# Altium PCB Quad FC 10.7-final.PcbDoc
Units mm, origin at the board's own origin, x right, y up, seen from the top; angles counter-clockwise.
Board outline 55.25 x 55.25 mm, 2 copper layers (Top Layer, Bottom Layer); 78 components, 52 nets, 294 pads, 275 vias.
Unrouted connection lines stored in the file: 1.
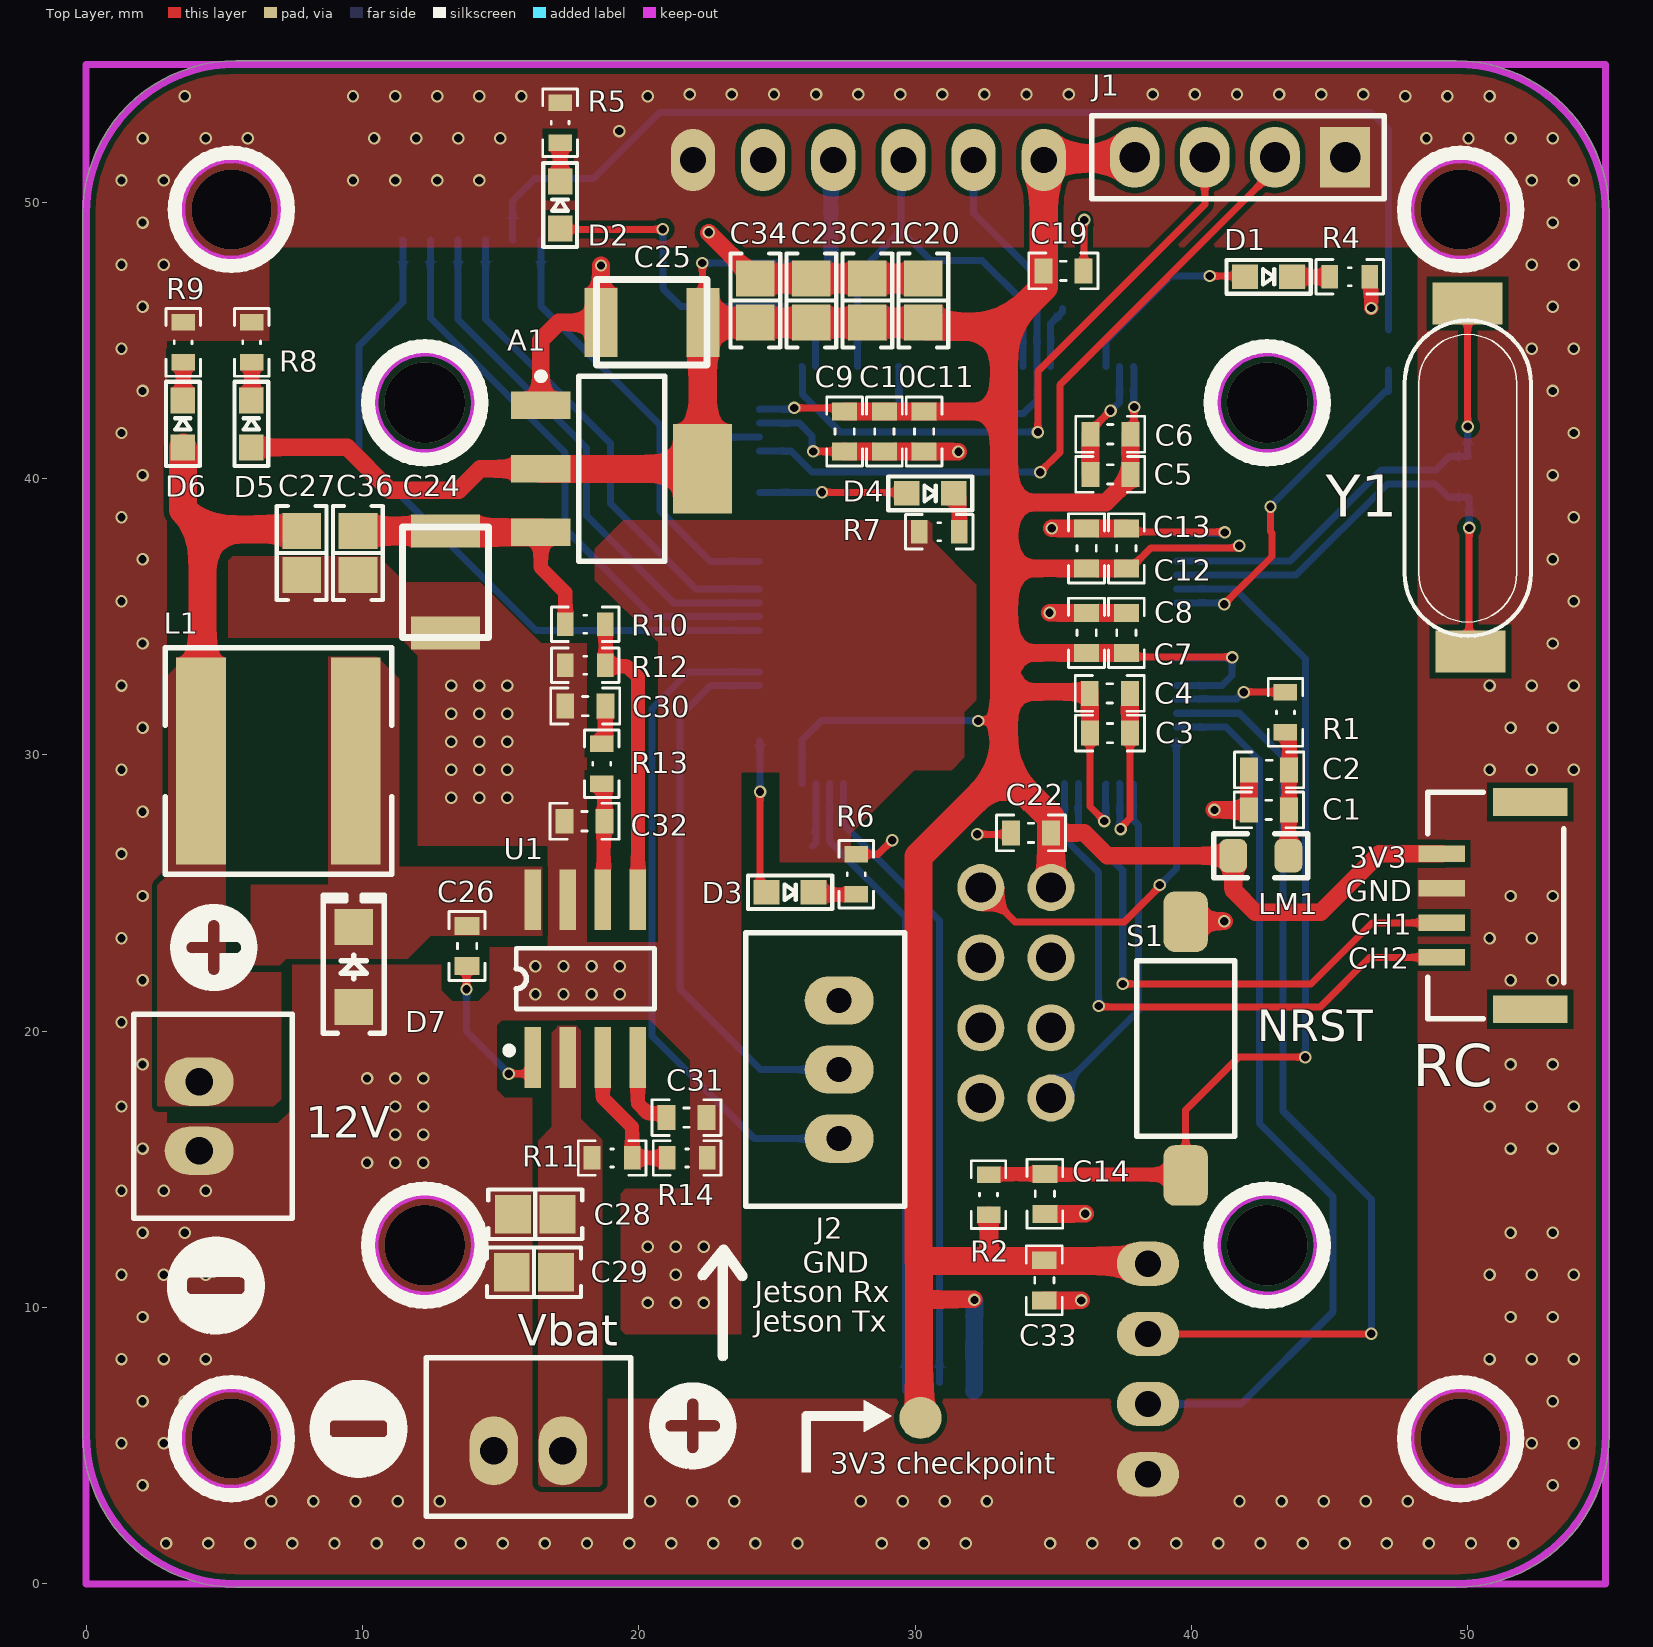
[diagram p0: Top Layer view]
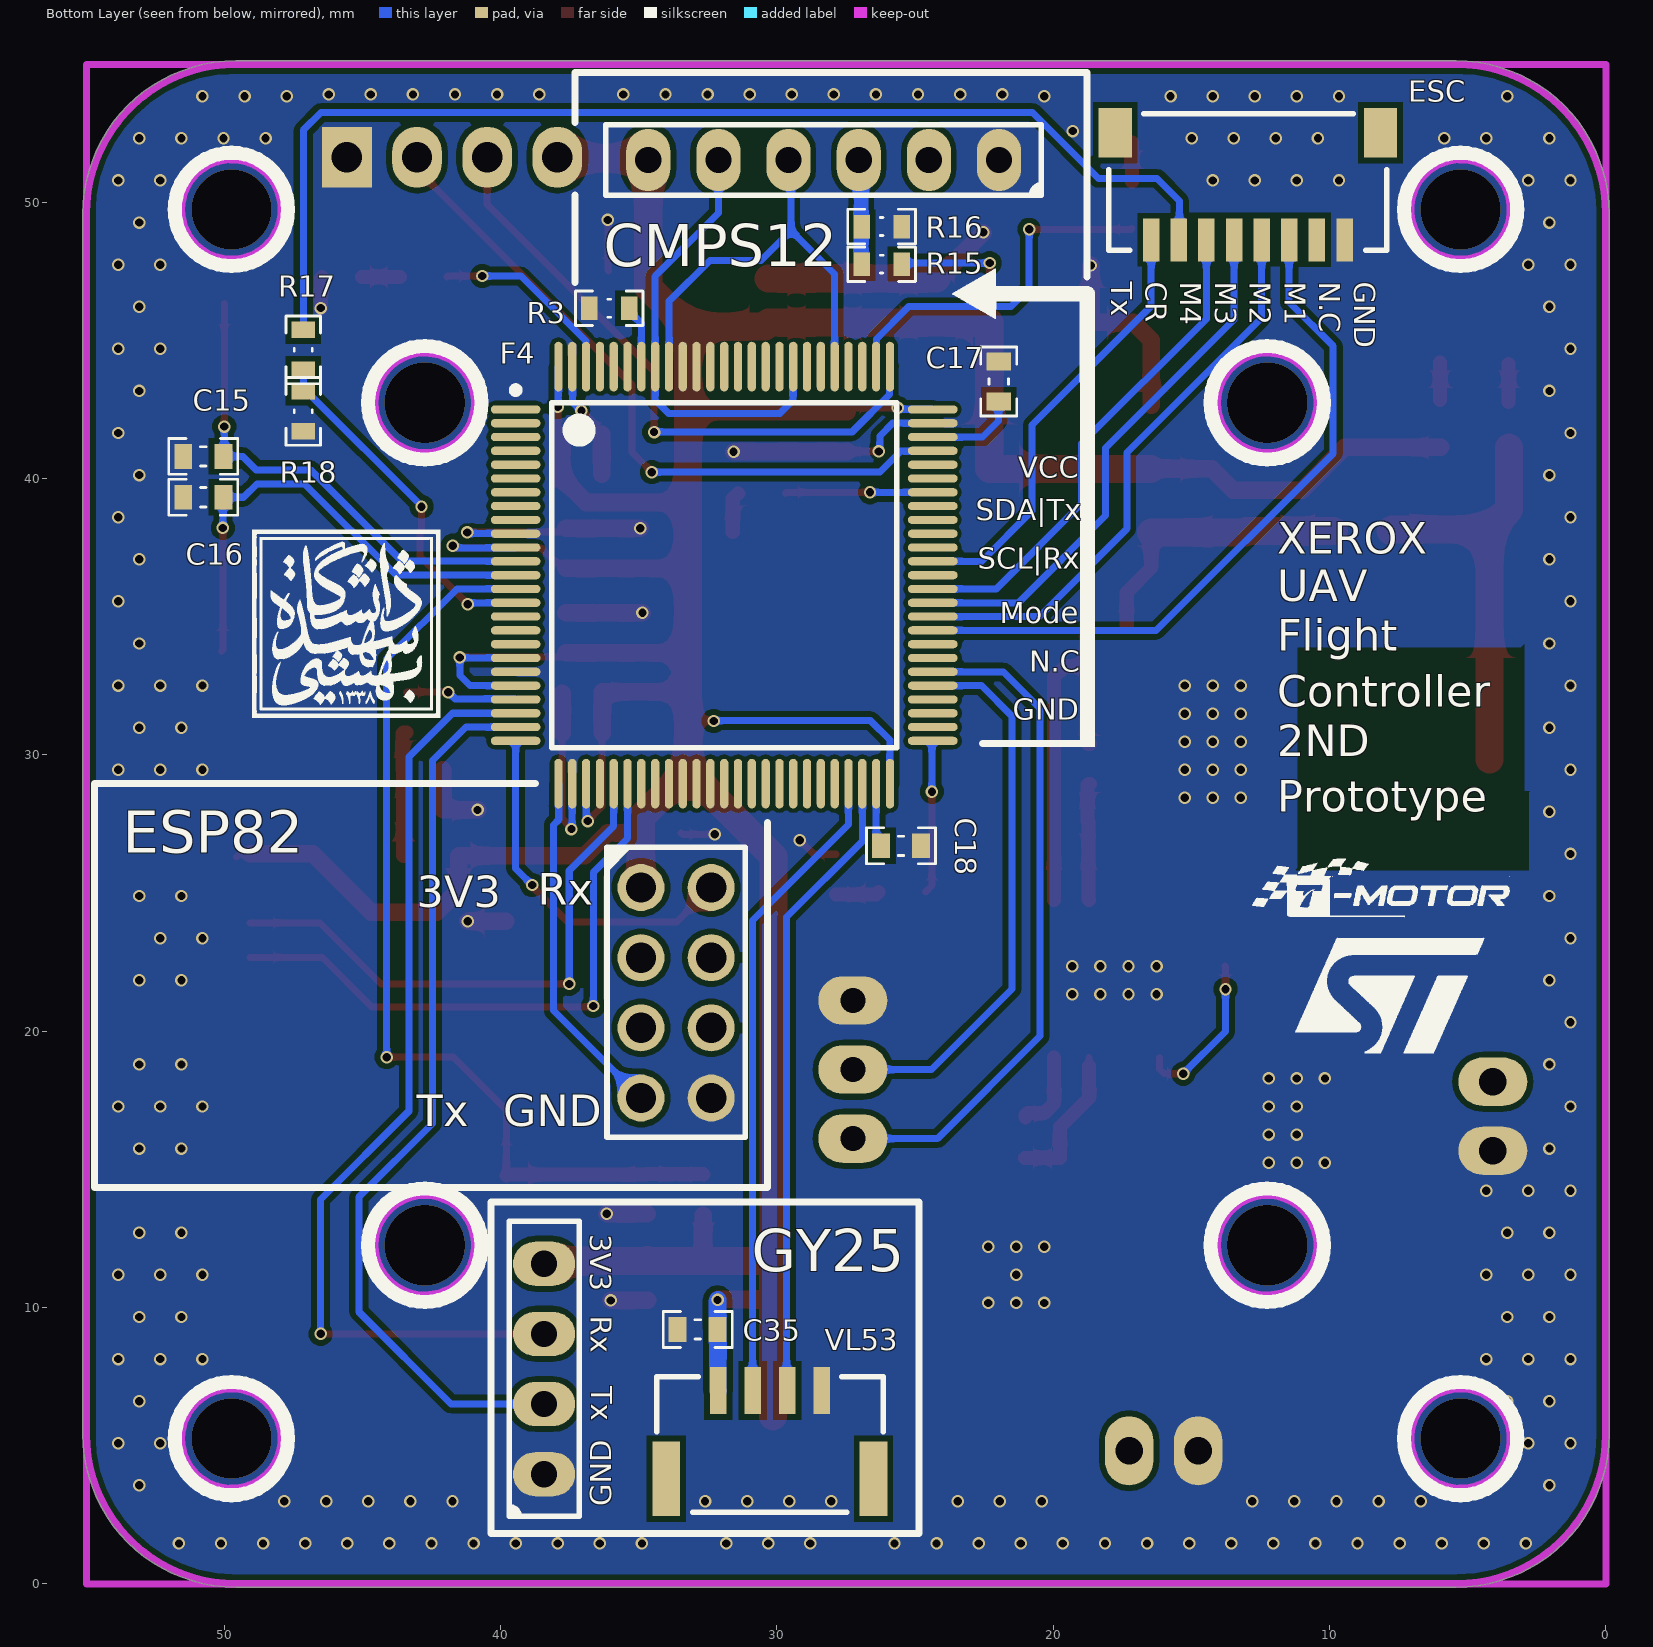
[diagram p1: Bottom Layer view, seen from below]
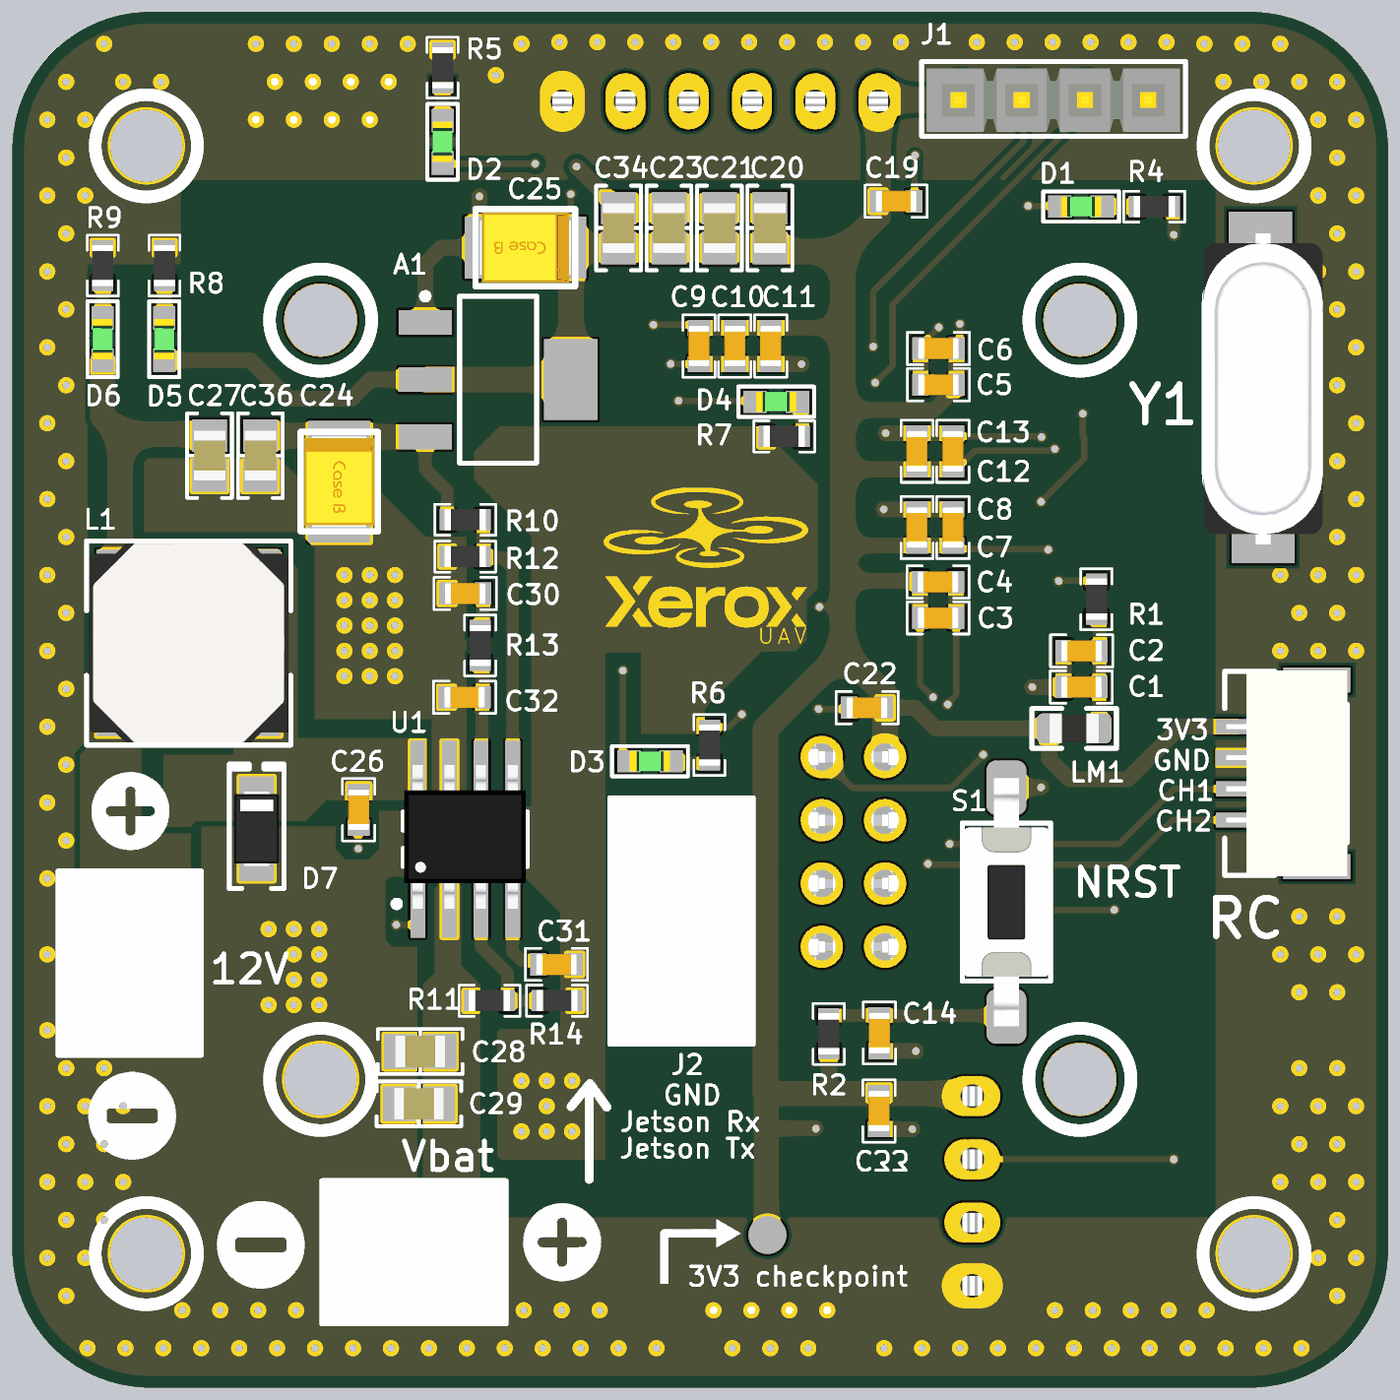
[diagram p2: 3D render of the assembled board from above, using the file's embedded part models]
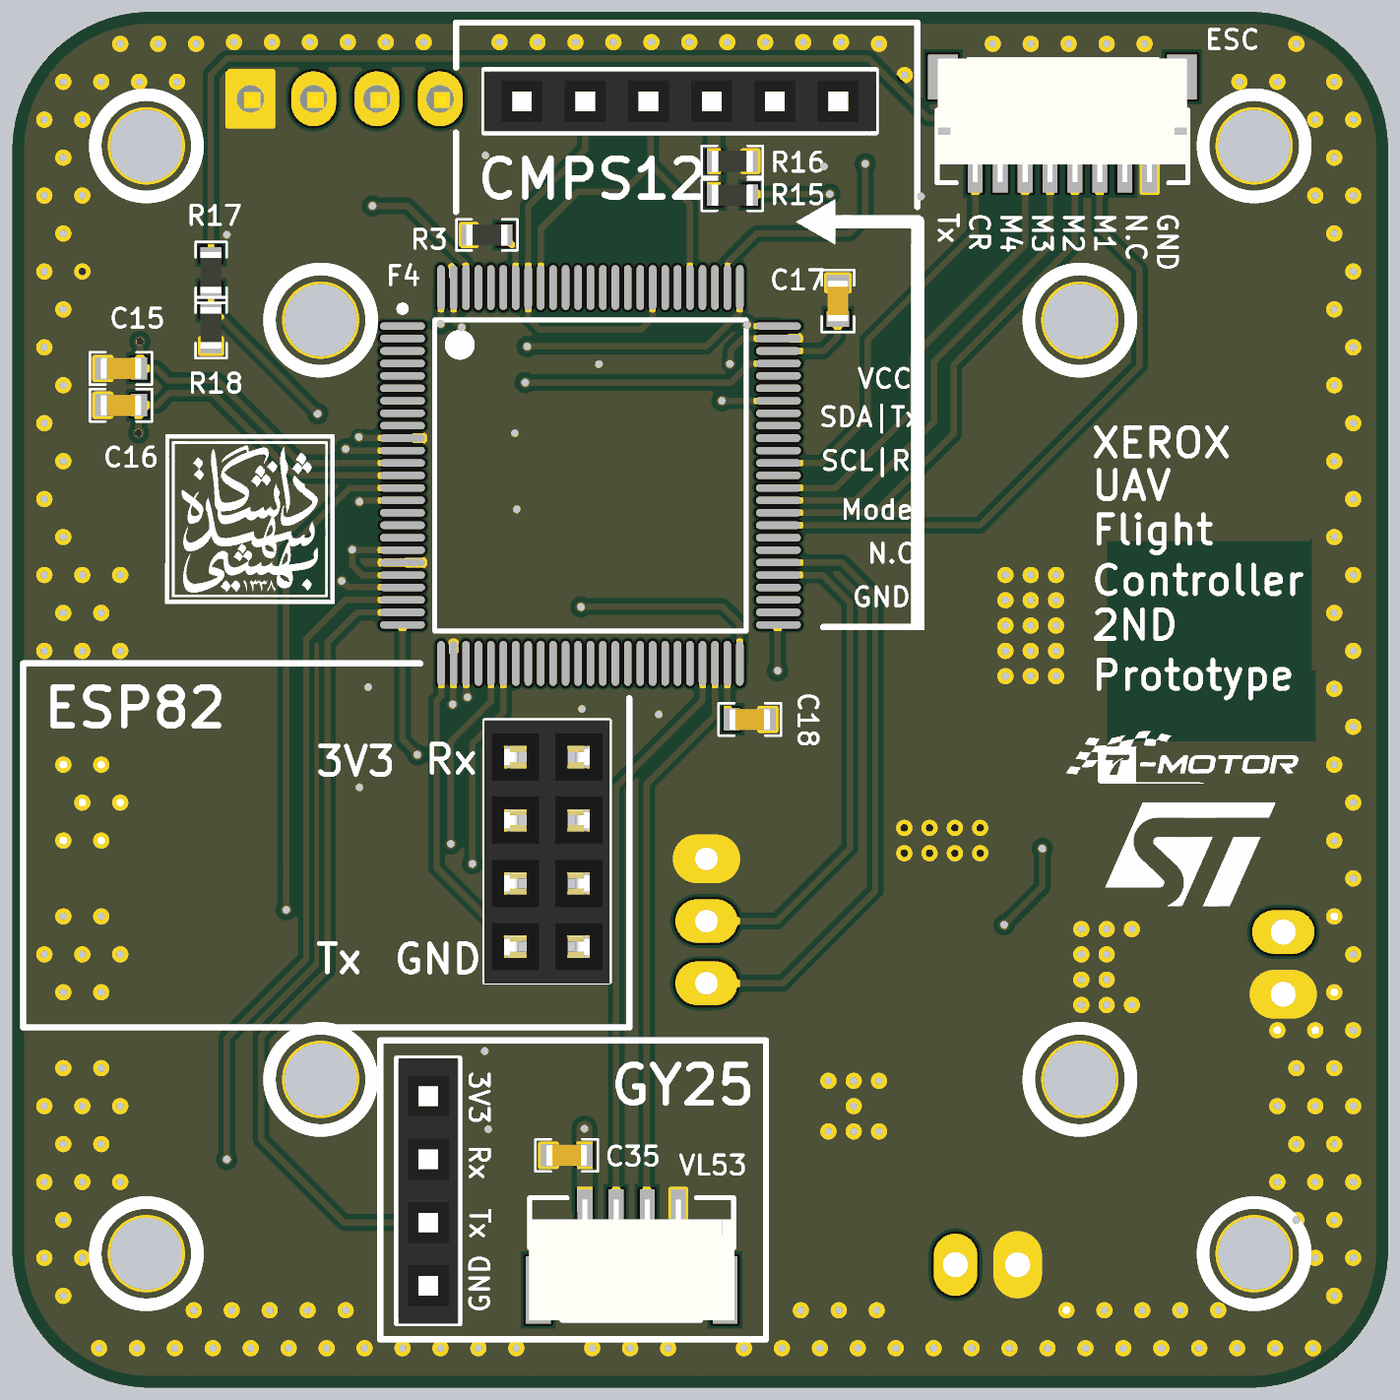
[diagram p3: 3D render of the assembled board from below, using the file's embedded part models]

## Layer stack, top to bottom
Top Solder: solder mask 0.0102, Solder Resist, Dk 3.5
Top Layer: signal copper 0.0356
Dielectric 1: dielectric 0.32, FR-4, Dk 4.8
Bottom Layer: signal copper 0.0356
Bottom Solder: solder mask 0.0102, Solder Resist, Dk 3.5

## Board outline
5.4,-0.127 cw(c5.4,5.4) -0.127,5.4 -0.127,49.6 -0.127,49.601 cw(c5.4,49.6) 5.4,55.127 49.6,55.127 cw(c49.6,49.6) 55.127,49.6 55.127,42.75 55.127,5.4 cw(c49.6,5.4) 49.6,-0.127

## Design rules (kind name [scope] priority, off if disabled: settings)
Clearance MCU [InComponent('F4')] p1: gap=0.152 ignorepadtopadclearanceinfootprint=FALSE except(0: Arc-Hole Track-Hole SMDPad-Hole THPad-Hole Via-Hole Fill-Hole Poly-Hole Region-Hole Text-Hole)
Clearance [All] p2: gap=0.203 ignorepadtopadclearanceinfootprint=FALSE except(0: Arc-Hole Track-Hole SMDPad-Hole THPad-Hole Via-Hole Fill-Hole Poly-Hole Region-Hole Text-Hole)
DiffPairsRouting [All] p1: maxlimit=0.254 minlimit=0.254 mostfreqgap=0.254 toplayer_minwidth=0.203 toplayer_maxwidth=0.381 toplayer_prefwidth=0.254 bottomlayer_minwidth=0.203 bottomlayer_maxwidth=0.381 bottomlayer_prefwidth=0.254 maxuncoupledlength=12.7
HoleSize [All] p1: absolutevalues=TRUE maxlimit=3 minlimit=0.025 maxpercent=80.000 minpercent=20.000
HoleToHoleClearance [All] p1: gap=0.203 allowstackedmicrovias=TRUE
PolygonConnect PolygonConnect_9 [All vs IsNamedPolygon('GND_L01_P008')] p1: connectstyle=Direct reliefconductorwidth=0.254 reliefentries=4 polygonreliefangle="90 Angle" airgapwidth=0.254
PolygonConnect PolygonConnect_8 [All vs IsNamedPolygon('GND_L01_P009')] p2: connectstyle=Direct reliefconductorwidth=0.254 reliefentries=4 polygonreliefangle="90 Angle" airgapwidth=0.254
PolygonConnect PolygonConnect_7 [All vs IsNamedPolygon('GND_L01_P010')] p3: connectstyle=Direct reliefconductorwidth=0.254 reliefentries=4 polygonreliefangle="90 Angle" airgapwidth=0.254
PolygonConnect PolygonConnect_6 [All vs IsNamedPolygon('GND_L02_P007')] p4: connectstyle=Direct reliefconductorwidth=0.254 reliefentries=4 polygonreliefangle="90 Angle" airgapwidth=0.254
PolygonConnect PolygonConnect_5 [All vs IsNamedPolygon('VBAT+_L01_P000')] p5: connectstyle=Direct reliefconductorwidth=0.254 reliefentries=4 polygonreliefangle="90 Angle" airgapwidth=0.254
PolygonConnect PolygonConnect_4 [All vs IsNamedPolygon('12V_L01_P004')] p6: connectstyle=Direct reliefconductorwidth=0.254 reliefentries=4 polygonreliefangle="90 Angle" airgapwidth=0.254
PolygonConnect PolygonConnect_3 [All vs IsNamedPolygon('GND_L01_P003')] p7: connectstyle=Direct reliefconductorwidth=0.254 reliefentries=4 polygonreliefangle="90 Angle" airgapwidth=0.254
PolygonConnect PolygonConnect_2 [All vs IsNamedPolygon('NETC26_1_L01_P002')] p8: connectstyle=Direct reliefconductorwidth=0.254 reliefentries=4 polygonreliefangle="90 Angle" airgapwidth=0.254
PolygonConnect PolygonConnect_1 [All vs IsNamedPolygon('12V_L01_P004')] p9: connectstyle=Direct reliefconductorwidth=0.254 reliefentries=4 polygonreliefangle="90 Angle" airgapwidth=0.254
PolygonConnect [All] p10: connectstyle=Relief reliefconductorwidth=0.254 reliefentries=4 polygonreliefangle="90 Angle" airgapwidth=0.254
RoutingVias [All] p1: holewidth=0.3 width=0.45 viastyle="Through Hole" minholewidth=0.2 minwidth=0.3 maxholewidth=3 maxwidth=3
SilkToSilkClearance [All] p1: silktosilkclearance=0.203
SilkToSolderMaskClearance [IsPad] p1: minsilkscreentomaskgap=8 clearancetoexposedcopper=TRUE
SolderMaskExpansion [All] p1: expansion=0.102 istentingtop=FALSE useseparateexpansions=TRUE expansionbottom=0.102 istentingbottom=FALSE
Width GND [InNet('GND')] p1: maxlimit=1.016 minlimit=0.254 preferedwidth=0.635
Width Vbat+ [InNet('VBAT+')] p2: maxlimit=1.016 minlimit=0.508 preferedwidth=0.762
Width 12V [InNet('12V')] p3: maxlimit=1.016 minlimit=0.508 preferedwidth=0.762
Width 3.3V [InNet('3V3')] p4: maxlimit=1.016 minlimit=0.254 preferedwidth=0.635
Width [All] p5: maxlimit=0.508 minlimit=0.254 preferedwidth=0.381
25 further rules are at their usual default settings.

## Classes and differential pairs
component class "Quad FC V10.6": 3 C1 C2 C3 C4 C5 C6 C7 C8 C9 C10 C11 C12 C13 C14 C15 C16 C17 C18 C19 C22 C33 C35 CMPS12 D1 D2 D3 D4 ESP82 F4 GY25 J1 J2 LM1 R1 R2 R3 R4 R5 R6 R7 R15 R16 RC S1 VL53 Y1
component class "Quad FC power V10.6": 12V A1 C20 C21 C23 C24 C25 C26 C27 C28 C29 C30 C31 C32 C34 C36 D5 D6 D7 ESC L1 R8 R9 R10 R11 R12 R13 R14 R17 R18 U1 Vbat
differential pair F407_OSC: +F407_OSC_P -F407_OSC_N

## Components (designator, comment, footprint, x,y, rotation, side; value= is the part's Value field where it differs from the comment)
12V "Jetson Power" "JST XH B2B-XH-A" 4.08,16.92 r90 top
A1 "3.3V linear regulator" SOT230P700X180-4N 19.38,40.36 r0 top
C1 "100nF" CAP0603 42.81,28.01 r0 top
C2 "1uF" CAP0603 42.82,29.46 r0 top
C3 "100nF" CAP0603 37.055,30.79 r180 top
C4 "100nF" CAP0603 37.05,32.23 r180 top
C5 "100nF" CAP0603 37.07,40.16 r0 top
C6 "100nF" CAP0603 37.07,41.61 r0 top
C7 "100nF" CAP0603 37.65,34.42 r90 top
C8 "1uF" CAP0603 36.21,34.42 r90 top
C9 "100nF" CAP0603 27.45,41.71 r90 top
C10 "4.7uF" CAP0603 28.89,41.71 r90 top
C11 "100nF" CAP0603 30.33,41.71 r90 top
C12 "100nF" CAP0603 37.65,37.48 r270 top
C13 "100nF" CAP0603 36.21,37.48 r270 top
C14 "100nF" CAP0603 34.7,14.11 r270 top
C15 "10pF" CAP0603 50.77,40.81 r180 bottom
C16 "10pF" CAP0603 50.77,39.33 r0 bottom
C17 "2.2uF" CAP0603 21.97,43.52 r90 bottom
C18 "2.2uF" CAP0603 25.51,26.71 r180 bottom
C19 "100nF" CAP0603 35.37,47.525 r0 top
C20 "1µF" "CAP 0805_2012" 30.3,46.45 r270 top
C21 "0.1 µF" "CAP 0805_2012" 28.273,46.45 r270 top
C22 "100nF" CAP0603 34.2,27.18 r180 top
C23 "0.1 µF" "CAP 0805_2012" 26.247,46.45 r270 top
C24 "10uF" MY_CAP_SMD-B 13,36.26 r270 top value=3300u
C25 "100uF" MY_CAP_SMD-B 20.475,45.66 r180 top value=3300u
C26 "100nF" CAP0603 13.78,23.08 r270 top
C27 "22uF" "CAP 0805_2012" 7.79,37.31 r90 top value="22 µF"
C28 "10 µF" "CAP 0805_2012" 16.25,13.37 r0 top
C29 "10 µF" "CAP 0805_2012" 16.2,11.27 r0 top
C30 "1nF" CAP0603 18.06,31.77 r180 top
C31 "8.2nF" CAP0603 21.725,16.87 r0 top
C32 "10pF" CAP0603 18.035,27.6 r180 top
C33 "100nF" CAP0603 34.68,10.98 r270 top
C34 "0.1 µF" "CAP 0805_2012" 24.22,46.45 r270 top
C35 "100nF" CAP0603 32.87,9.2 r0 bottom
C36 "22uF" "CAP 0805_2012" 9.83,37.31 r90 top value="22 µF"
CMPS12 "CMPS12" "SAMTEC SSW-106-03-T-S" 28.31,51.54 r0 bottom
D1 "LED" "0603 - LED" 42.8,47.31 r0 top
D2 "LED" "0603 - LED" 17.15,49.91 r90 top
D3 "LED" "0603 - LED" 25.48,25.03 r0 top
D4 "LED" "0603 - LED" 30.55,39.47 r0 top
D5 "LED" "0603 - LED" 5.97,41.985 r90 top
D6 "LED" "0603 - LED" 3.49,41.985 r90 top
D7 "SS34L RVG" "SMF DO-219AB" 9.68,22.32 r90 top
ESC "ESC" "JST SM08B-SRSS-TB" 12.95,50.68 r180 bottom
ESP82 "ESP82" "HARWIN M20-7830445" 33.653,21.39 r180 bottom
F4 "STM32F407VGT6" STM-LQFP100_N 31.91,36.51 r180 bottom
GY25 "GY25" "SAMTEC SSW-104-03-T-S" 38.43,7.77 r90 bottom
J1 "Programming Pin" "HEADER 4X1" 45.57,51.64 r180 top
J2 "Jetson Uart connector" "JST XH B3B-XH-A" 27.25,18.61 r270 top
L1 "22 µH" "TAIYO YUDEN NRS8030" 6.95,29.78 r180 top value="10 µH"
LM1 "10uH" 0805L 42.52,26.35 r180 top value=FB805
R1 "0" RES0603 43.41,31.54 r90 top
R2 "1K" RES0603 32.66,14.08 r90 top
R3 "1K" RES0603 36.07,46.17 r0 bottom
R4 "1K" RES0603 45.74,47.31 r0 top
R5 "1K" RES0603 17.15,52.89 r90 top
R6 "1K" RES0603 27.87,25.68 r90 top
R7 "1K" RES0603 30.875,38.08 r180 top
R8 "1K" RES0603 5.981,44.94 r90 top
R9 "1K" RES0603 3.501,44.94 r90 top
R10 "10.2k" RES0603 18.06,34.73 r180 top
R11 "0.732k" RES0603 19.03,15.41 r180 top
R12 "0.732k" RES0603 18.06,33.25 r0 top
R13 "30.9K" RES0603 18.66,29.68 r270 top
R14 "0.732k" RES0603 21.75,15.41 r180 top
R15 "0" RES0603 26.21,47.77 r180 bottom
R16 "0" RES0603 26.21,49.13 r0 bottom
R17 "1K" RES0603 47.15,44.665 r90 bottom
R18 "2K" RES0603 47.15,42.44 r90 bottom
RC "Radio Controller" "JST SM04B-GHS-TB" 50.945,24.545 r270 top
S1 "FSMSMTR" "TE FSMSMTR" 39.8,19.37 r180 top
U1 "TPS54331" SO8 18.06,21.9 r0 top
Vbat "FC power" "JST XH B2B-XH-A" 16,4.805 r180 top
VL53 "VL53L0" "JST SM04B-GHS-TB" 30.255,5.115 r0 bottom
Y1 "8MHz" "My_Crystal - SMD" 50.01,40.02 r90 top

## Footprints (in the part's own frame and the unit in brackets; to place one, negate y for a bottom-side part, rotate by r counter-clockwise, add the part's x,y. Pads: shape width x height; smd on the part's side, far side on the other; paste and mask are expansions set on the pad)
"0603 - LED" [mil]
  rect 37x35 smd: 1(-33.5,0) 2(33.5,0)
  silkscreen extent -60,-24 60,24, body extent -32,-16 32,16, height 43
0805L [mm] ",0805, 2012, 200X130"
  rrect50% 1x1.2 smd mask+0.075: 1(-1,0) 2(1,0)
  Top Layer pour cut-out: -0.5,0.8 0.5,0.8 0.5,-0.8 -0.5,-0.8
  silkscreen extent -1.7,-0.8 1.7,0.8, body extent -1,-0.6 1,0.6, height 0.95
CAP0603 [mm] "Chip Capacitor, 2-Leads, Body 1/60x0/80mm, IPC Medium Density DESIGNER:ABBAS BASEREH"
  rect 0.65x0.9 smd: 1(-0.725,0) 2(0.725,0)
  silkscreen extent -1.25,-0.65 1.25,0.65, body extent -0.82,-0.43 0.82,0.43, height 0.4
"CAP 0805_2012" [mm] "Chip Capacitor, 2-Leads, Body 2.00x1.20mm, IPC Medium Density"
  rect 1.3x1.4 smd: 1(-0.8,0) 2(0.8,0)
  silkscreen extent -1.7,-0.9 1.7,0.9, body extent -1,-0.64 1,0.64, height 1.26
"HARWIN M20-7830445" [mm] "2.54mm DIL PC TAIL PIN HEADER ASSEMBLY"
  round 1.7 hole 1.1: 1(-1.27,3.81) 2(-1.27,1.27) 3(-1.27,-1.27) 4(-1.27,-3.81) 5(1.27,-3.81) 6(1.27,-1.27) 7(1.27,1.27) 8(1.27,3.81)
  silkscreen extent -2.5,-5.23 2.5,5.27, body extent -2.52,-5.28 2.52,5.28, height 8.5
"HEADER 4X1" [mm]
  rect 1.8x2.2 hole 1.1: 1(0,0)
  oval 1.8x2.2 hole 1.1: 2(2.54,0) 3(5.08,0) 4(7.62,0)
  silkscreen extent -1.43,-1.5 9.18,1.5, body extent -1.19,-1.22 8.97,1.32, height 8.38
"JST SM04B-GHS-TB" [mm] "1.25mm pitch/Disconnectable Crimp style connectors"
  rect 0.6x1.7 smd: 1(-1.875,-1.875) 2(-0.625,-1.875) 3(0.625,-1.875) 4(1.875,-1.875)
  rect 1x2.7 smd: M(-3.75,1.325) M(3.75,1.325)
  silkscreen extent -4.1,-2.37 4.1,2.54, body extent -4.12,-2.31 4.13,2.54, height 4.35
"JST SM08B-SRSS-TB" [mm] "1.0mm pitch/Disconnectable Crimp style connector"
  rect 0.6x1.55 smd: 1(-3.5,-2.032) 2(-2.5,-2.032) 3(-1.5,-2.032) 4(-0.5,-2.032) 5(0.5,-2.032) 6(1.5,-2.032) 7(2.5,-2.032) 8(3.5,-2.032)
  rect 1.2x1.8 smd: M(-4.8,1.843) M(4.8,1.843)
  silkscreen extent -5.03,-2.41 5.03,2.54, body extent -5,-2.38 5,2.57, height 2.95
"JST XH B2B-XH-A" [mm]
  oval 1.75x2.5 hole 1: 1(-1.25,0) 2(1.25,0)
  silkscreen extent -3.7,-3.38 3.7,2.38, body extent -3.7,-3.38 3.7,2.38, height 7
"JST XH B3B-XH-A" [mm]
  oval 1.75x2.5 hole 0.9: 1(-2.5,0) 2(0,0) 3(2.5,0)
  silkscreen extent -4.95,-3.38 4.95,2.38, body extent -4.95,-3.38 4.95,2.38, height 7
MY_CAP_SMD-B [mm] "3.1X4"
  rect 1.2x2.5 smd: +(-1.845,0) -(1.845,0)
  silkscreen extent -2,-1.55 2,1.55, body extent -1.85,-1.41 1.85,1.41, height 2.14
"My_Crystal - SMD" [mm]
  rect 1.524x2.54 smd: 1(-6.275,-0.1) 2(6.33,0.01)
  silkscreen extent -5.71,-2.29 5.71,2.29, body extent -6.28,-2.5 6.22,2.3, height 3.92
RES0603 [mm] "Chip Resistor, 2-Leads, Body 1/60x0/80mm, IPC Medium Density DESIGNER:ABBAS BASEREH"
  rect 0.6x0.85 smd: 1(-0.725,0) 2(0.725,0)
  silkscreen extent -1.22,-0.63 1.22,0.63, body extent -0.82,-0.43 0.82,0.43, height 0.4
"SAMTEC SSW-104-03-T-S" [mm]
  oval 1.6x2.25 hole 0.95: 1(-3.81,0) 2(-1.27,0) 3(1.27,0) 4(3.81,0)
  silkscreen extent -5.34,-1.27 5.34,1.27, body extent -5.33,-1.21 5.33,1.21, height 8.51
"SAMTEC SSW-106-03-T-S" [mm]
  oval 1.6x2.25 hole 0.95: 1(-6.35,0) 2(-3.81,0) 3(-1.27,0) 4(1.27,0) 5(3.81,0) 6(6.35,0)
  silkscreen extent -7.88,-1.27 7.88,1.27, body extent -7.87,-1.21 7.87,1.21, height 8.51
"SMF DO-219AB" [mm] "Molded Diode, 2-Leads, Body 3.90x1.90mm, IPC Medium Density"
  rect 1.3x1.4 smd: 1(-1.45,0) 2(1.45,0)
  silkscreen extent -2.4,-1.1 2.59,1.1, body extent -1.5,-0.9 1.5,0.9, height 1.18
SO8 [mm]
  rect 0.6x2.2 smd: 1(-1.905,-2.854) 2(-0.635,-2.854) 3(0.635,-2.854) 4(1.905,-2.854) 5(1.905,2.854) 6(0.635,2.854) 7(-0.635,2.854) 8(-1.905,2.854)
  silkscreen extent -2.88,-2.72 2.5,1.1, body extent -2.46,-2.79 2.44,2.98, height 1.45
SOT230P700X180-4N [mm] "SOT223, 4-Leads, Body 6.50x7.00mm (avg), Pitch 2.30mm, IPC Medium Density"